# KiCad board LabSupply 2025-2026.kicad_pcb (continued)
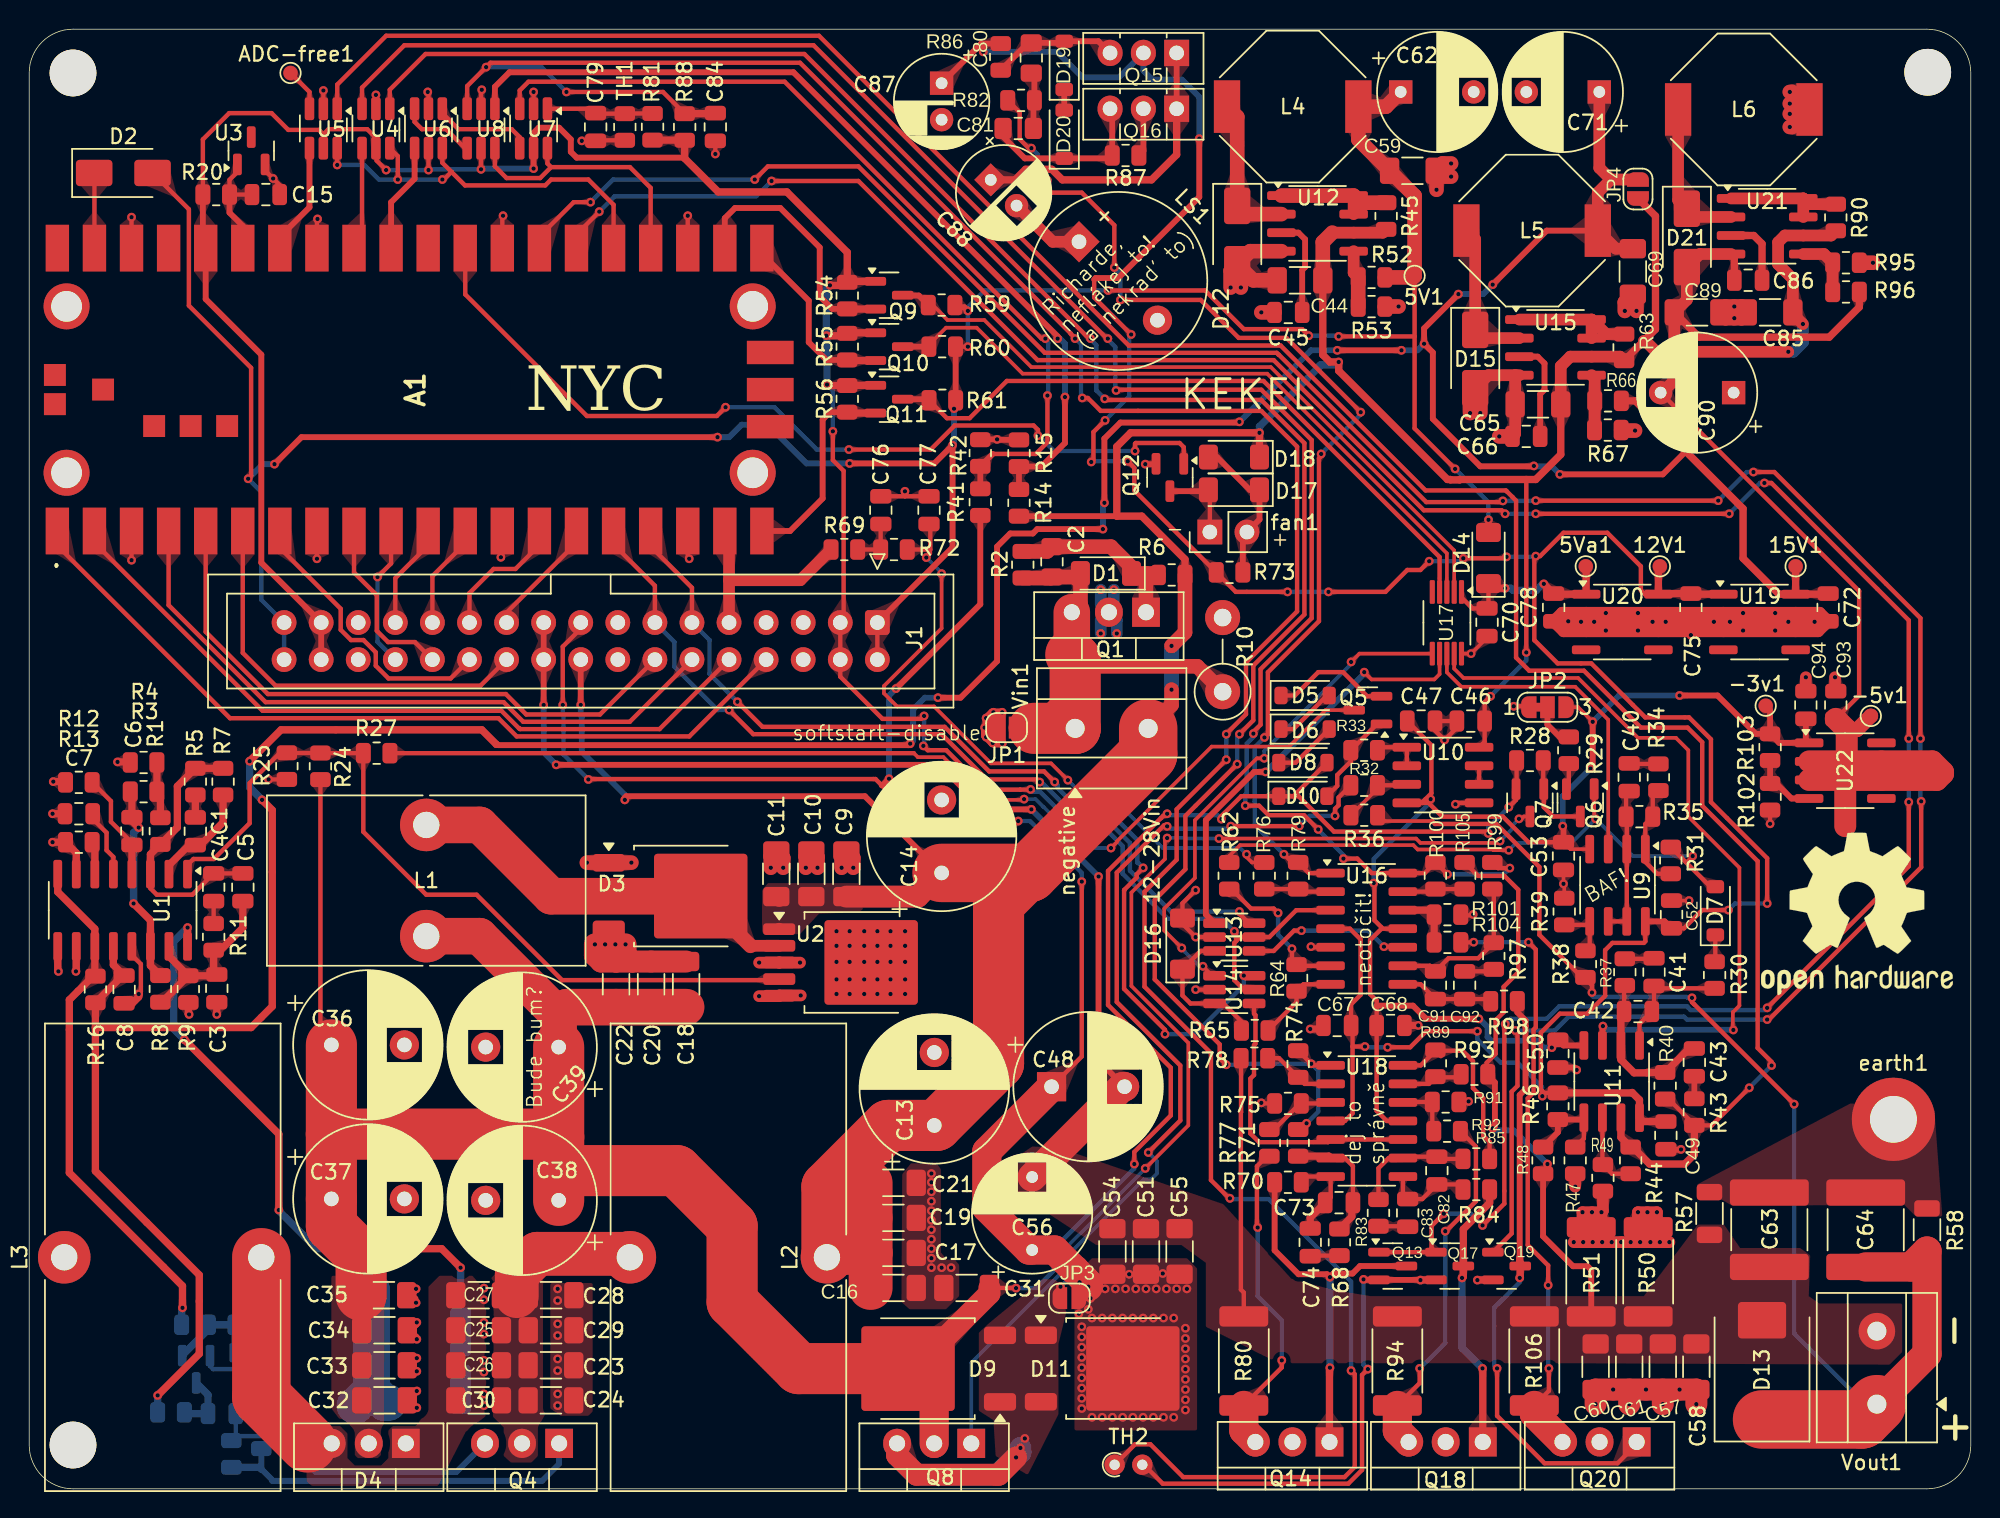
[diagram p0: board, top side]
## Library data of the parts
5V1 5Va1 12V1 15V1 -3v1 -5v1 ADC-free1 = -: Description: test point (alternative probe-style design); ki_fp_filters: Pin* Test*
A1 = -: Datasheet: https://datasheets.raspberrypi.com/pico/pico-datasheet.pdf; Description: Versatile and inexpensive microcontroller module powered by RP2040 dual-core Arm Cortex-M0+ processor up to 133 MHz, 264kB SRAM, 2MB QSPI flash; also supports Raspberry Pi Pico 2; ki_fp_filters: RaspberryPi?Pico?Common* RaspberryPi?Pico?SMD*
C1-C12 C15-C35 C40-C47 C49-C55 C57-C61 C63-C70 C72-C86 C89 C91-C94 = -: Description: Unpolarized capacitor; ki_fp_filters: C_*
C13 C14 C36-C39 C48 C56 C62 C71 C87 C88 C90 = -: Description: Polarized capacitor; ki_fp_filters: CP_*
D1 D16 D18 = -: Description: Zener diode; ki_fp_filters: TO-???* *_Diode_* *SingleDiode* D_*
D2 D12 D15 D21 = -: Description: Schottky diode; ki_fp_filters: TO-???* *_Diode_* *SingleDiode* D_*
D3 D9 D11 = -: Description: Schottky diode, anode on pins 1 and 3; ki_fp_filters: TO-???* *_Diode_* *SingleDiode* D_*
D4 = -: Description: Dual Schottky diode, common cathode on pin 2
D5-D8 D10 D14 D17 D19 D20 = -: Datasheet: http://www.vishay.com/docs/85557/ll4148.pdf; Description: 100V 0.15A standard switching diode, MiniMELF; Sim.Device: D; Sim.Pins: 1=K 2=A; ki_fp_filters: D*MiniMELF*
D13 = -: Datasheet: https://www.vishay.com/docs/88301/15ke.pdf; Description: 1500W unidirectional TRANSZORB® Transient Voltage Suppressor, DO-201AE; ki_fp_filters: D?DO?201AE*
earth1 = -: Description: Mounting Hole with connection; ki_fp_filters: MountingHole*Pad*
fan1 = -: Description: Generic connector, single row, 01x02, script generated; ki_fp_filters: Connector*:*_1x??_*
H1-H3 = -: Description: Mounting Hole without connection; ki_fp_filters: MountingHole*
J1 = -: Description: Generic connector, double row, 02x17, odd/even pin numbering scheme (row 1 odd numbers, row 2 even numbers), script generated (kicad-library-utils/schlib/autogen/connector/); ki_fp_filters: Connector*:*_2x??_*
JP1 JP3 JP4 = -: Description: Solder Jumper, 2-pole, open; ki_fp_filters: SolderJumper*Open*
JP2 = -: Description: 3-pole Solder Jumper, pins 1+2 closed/bridged; ki_fp_filters: SolderJumper*Bridged12*
L1-L6 = -: Description: Inductor; ki_fp_filters: Choke_* *Coil* Inductor_* L_*
Q1 Q4 Q14 Q18 Q20 = -: Datasheet: https://media.digikey.com/pdf/Data%20Sheets/Fairchild%20PDFs/BUZ11.pdf; Description: 30A Id, 50V Vds, N-Channel Power MOSFET, TO-220; ki_fp_filters: TO?220*
Q2 Q6 = -: Datasheet: https://www.onsemi.com/pub/Collateral/BC818-D.pdf; Description: 0.8A Ic, 45V Vce, NPN Transistor, SOT-23; ki_fp_filters: SOT?23*
Q3 = -: Datasheet: https://www.onsemi.com/pub/Collateral/BC808-D.pdf; Description: 0.8A Ic, 25V Vce, PNP Transistor, SOT-23; ki_fp_filters: SOT?23*
Q5 Q7 = -: Datasheet: https://www.onsemi.com/pub/Collateral/BC808-D.pdf; Description: 0.8A Ic, 45V Vce, PNP Transistor, SOT-23; ki_fp_filters: SOT?23*
Q8 = -: Datasheet: https://www.centralsemi.com/get_document.php?cmp=1&mergetype=pd&mergepath=pd&pdf_id=tip41.PDF; Description: 6A Ic, 80V Vce, Power NPN Transistor, TO-220; ki_fp_filters: TO?220*
Q9-Q13 Q17 Q19 = -: Datasheet: https://www.diodes.com/assets/Datasheets/ds30896.pdf; Description: 0.38A Id, 60V Vds, N-Channel MOSFET, SOT-23; ki_fp_filters: SOT?23*
Q15 = -: Datasheet: http://www.st.com/internet/com/TECHNICAL_RESOURCES/TECHNICAL_LITERATURE/DATASHEET/CD00001225.pdf; Description: 1.5A Ic, 80V Vce, Low Voltage Transistor, TO-126; ki_fp_filters: TO?126*
Q16 = -: Datasheet: http://www.st.com/internet/com/TECHNICAL_RESOURCES/TECHNICAL_LITERATURE/DATASHEET/CD00001225.pdf; Description: 1.5A Ic, 45V Vce, Low Voltage Transistor, TO-126; ki_fp_filters: TO?126*
R1-R106 = -: Description: Resistor; ki_fp_filters: R_*
TH1 TH2 = -: Description: Temperature dependent resistor, negative temperature coefficient; ki_fp_filters: *NTC* *Thermistor* PIN?ARRAY* bornier* *Terminal?Block* R_*
U1 = -: Datasheet: http://www.ti.com/lit/ds/symlink/tl494.pdf; Description: Pulse-Width-Modulation Control Circuits, PDIP-16/SOIC-16/TSSOP-16; ki_fp_filters: TSSOP*4.4x5mm*P0.65mm* SOIC*3.9x9.9mm*P1.27mm* SOIC*5.3x10.2mm*P1.27mm* DIP*W7.62mm*
U2 = -: Datasheet: http://pdf.datasheet.live/datasheets-1/advanced_power_electronics/APE1707H-12-HF.pdf; Description: 2A, 150KHz PWM Buck DC/DC Converter, adjustable output voltage, TO-252-5 (D-PAK); ki_fp_filters: TO?252*TabPin3*
U3 = -: Datasheet: http://www.ti.com/lit/ds/symlink/lm4040-n.pdf; Description: 3.000V Precision Micropower Shunt Voltage Reference, SOT-23; ki_fp_filters: SOT?23*
U4-U8 U13 U14 = -: Datasheet: http://www.ti.com/lit/sg/scyt129e/scyt129e.pdf; Description: SPDT Analog Switch, Low-Voltage CMOS; ki_fp_filters: SOT* SC*
U9-U11 = -: Datasheet: http://www.ti.com/lit/ds/symlink/rc4580.pdf; Description: Dual Audio Operational Amplifier, SOIC-8/SSOP-8; ki_fp_filters: SOIC*3.9x4.9mm*P1.27mm* DIP*W7.62mm* TO*99* OnSemi*Micro8* TSSOP*3x3mm*P0.65mm* TSSOP*4.4x3mm*P0.65mm* MSOP*3x3mm*P0.65mm* SSOP*3.9x4.9mm*P0.635mm* LFCSP*2x2mm*P0.5mm* *SIP* SOIC*5.3x6.2mm*P1.27mm*
U12 U15 U21 = -: Datasheet: http://www.onsemi.com/pub_link/Collateral/MC34063A-D.PDF; Description: 1.5A, step-up/down/inverting switching regulator, 3-40V Vin, 100kHz, SO-8; ki_fp_filters: SOIC*3.9x4.9mm*P1.27mm*
U16 U18 = -: Datasheet: http://www.ti.com/lit/ds/symlink/lm2902-n.pdf; Description: Low-Power, Quad-Operational Amplifiers, DIP-14/SOIC-14/SSOP-14; ki_fp_filters: SOIC*3.9x8.7mm*P1.27mm* DIP*W7.62mm* TSSOP*4.4x5mm*P0.65mm* SSOP*5.3x6.2mm*P0.65mm* MSOP*3x3mm*P0.5mm*
U17 = -: Datasheet: http://ww1.microchip.com/downloads/en/DeviceDoc/22187E.pdf; Description: 12-bit digital to analog converter, quad output, 2.048V internal reference, integrated EEPROM, I2C interface; ki_fp_filters: *SOP*3x3mm*P0.5mm*
U19 = -: Datasheet: http://www.st.com/content/ccc/resource/technical/document/datasheet/15/55/e5/aa/23/5b/43/fd/CD00000446.pdf/files/CD00000446.pdf/jcr:content/translations/en.CD00000446.pdf; Description: Positive 100mA 30V Linear Regulator, Fixed Output 12V, SO-8; ki_fp_filters: SOIC*3.9x4.9mm*P1.27mm*
U20 = -: Datasheet: http://www.st.com/content/ccc/resource/technical/document/datasheet/15/55/e5/aa/23/5b/43/fd/CD00000446.pdf/files/CD00000446.pdf/jcr:content/translations/en.CD00000446.pdf; Description: Positive 100mA 30V Linear Regulator, Fixed Output 5V, SO-8; ki_fp_filters: SOIC*3.9x4.9mm*P1.27mm*
U22 = -: Datasheet: http://www.ti.com/lit/ds/symlink/lm337l.pdf; Description: 100mA 35V Adjustable Negative Linear Regulator, SO-8; ki_fp_filters: SOIC*3.9x4.9mm*P1.27mm*
Vin1 Vout1 = -: Description: Generic screw terminal, single row, 01x02, script generated (kicad-library-utils/schlib/autogen/connector/); ki_fp_filters: TerminalBlock*:*

## Footprints (pads in the part's own frame, mm; a bottom-side part is the same pattern mirrored in y, then rotated)
Buzzer_12x9.5RM7.6
  rect 2x2 hole 1: 1(0,0)
  round 2 hole 1: 2(7.6,0)
C_0805_2012Metric
  rrect 1x1.45 smd: 1(-0.95,0) 2(0.95,0)
C_0805_2012Metric_Pad1.18x1.45mm_HandSolder
  rrect 1.175x1.45 smd: 1(-1.038,0) 2(1.038,0)
C_1206_3216Metric_Pad1.33x1.80mm_HandSolder
  rrect 1.325x1.8 smd: 1(-1.562,0) 2(1.562,0)
C_2220_5750Metric
  rrect 1.8x5.4 smd: 1(-2.55,0) 2(2.55,0)
CP_Radial_D6.3mm_P2.50mm
  rect 1.6x1.6 hole 0.8: 1(0,0)
  round 1.6 hole 0.8: 2(2.5,0)
CP_Radial_D8.0mm_P5.00mm
  rect 1.6x1.6 hole 0.8: 1(0,0)
  round 1.6 hole 0.8: 2(5,0)
CP_Radial_D10.0mm_P5.00mm
  rect 2x2 hole 1: 1(0,0)
  round 2 hole 1: 2(5,0)
D_MiniMELF
  rrect 1.3x1.7 smd: 1(-1.75,0) 2(1.75,0)
D_SMA
  rrect 2.5x1.8 smd: 1(-2,0) 2(2,0)
D_SMC
  rrect 2.5x3.3 smd: 1(-3.4,0) 2(3.4,0)
D_SOD-123
  rrect 0.9x1.2 smd: 1(-1.65,0) 2(1.65,0)
IDC-Header_2x17_P2.54mm_Vertical
  rrect 1.7x1.7 hole 1: 1(0,0)
  round 1.7 hole 1: 2(2.54,0) 3(0,-2.54) 4(2.54,-2.54) 5(0,-5.08) 6(2.54,-5.08) 7(0,-7.62) 8(2.54,-7.62) 9(0,-10.16) 10(2.54,-10.16) 11(0,-12.7) 12(2.54,-12.7) 13(0,-15.24) 14(2.54,-15.24) 15(0,-17.78) 16(2.54,-17.78) 17(0,-20.32) 18(2.54,-20.32) 19(0,-22.86) 20(2.54,-22.86) 21(0,-25.4) 22(2.54,-25.4) 23(0,-27.94) 24(2.54,-27.94) 25(0,-30.48) 26(2.54,-30.48) 27(0,-33.02) 28(2.54,-33.02) 29(0,-35.56) 30(2.54,-35.56) 31(0,-38.1) 32(2.54,-38.1) 33(0,-40.64) 34(2.54,-40.64)
L_Bourns-SRU1028_10.0x10.0mm
  rect 1.8x3.6 smd: 1(-4.5,0) 2(4.5,0)
L_Toroid_Vertical_L21.6mm_W11.4mm_P7.62mm_Pulse_KM-3
  round 3.6 hole 1.8: 1(0,0) 2(0,-7.62)
L_Toroid_Vertical_L31.8mm_W15.9mm_P13.50mm_Bourns_5700
  round 3.6 hole 1.8: 1(0,0) 2(0,-13.5)
MountingHole_3.2mm_M3_DIN965
  round 3.2 hole 3.2 unplated: (0,0)
MountingHole_3.2mm_M3_DIN965#2
  round 3.2 hole 3.2 unplated: (0.05,0.05)
MountingHole_3.2mm_M3_ISO7380_Pad
  round 5.7 hole 3.2: 1(0,0)
MSOP-10_3x3mm_P0.5mm
  rrect 1.625x0.35 smd: 1(-2.112,1) 2(-2.112,0.5) 3(-2.112,0) 4(-2.112,-0.5) 5(-2.112,-1) 6(2.112,-1) 7(2.112,-0.5) 8(2.112,0) 9(2.112,0.5) 10(2.112,1)
PICO
  rect 3.2x1.6 smd: 1(-9.69,24.13) 2(-9.69,21.59) 3(-9.69,19.05) 4(-9.69,16.51) 5(-9.69,13.97) 6(-9.69,11.43) 7(-9.69,8.89) 8(-9.69,6.35) 9(-9.69,3.81) 10(-9.69,1.27) 11(-9.69,-1.27) 12(-9.69,-3.81) 13(-9.69,-6.35) 14(-9.69,-8.89) 15(-9.69,-11.43) 16(-9.69,-13.97) 17(-9.69,-16.51) 18(-9.69,-19.05) 19(-9.69,-21.59) 20(-9.69,-24.13) 21(9.69,-24.13) 22(9.69,-21.59) 23(9.69,-19.05) 24(9.69,-16.51) 25(9.69,-13.97) 26(9.69,-11.43) 27(9.69,-8.89) 28(9.69,-6.35) 29(9.69,-3.81) 30(9.69,-1.27) 31(9.69,1.27) 32(9.69,3.81) 33(9.69,6.35) 34(9.69,8.89) 35(9.69,11.43) 36(9.69,13.97) 37(9.69,16.51) 38(9.69,19.05) 39(9.69,21.59) 40(9.69,24.13)
  rect 1.6x3.2 smd: D1(-2.54,-24.7) D2(0,-24.7) D3(2.54,-24.7)
  round 3.15 hole 2.1: MH1(-5.7,23.5) MH2(5.7,23.5) MH3(-5.7,-23.5) MH4(5.7,-23.5)
  rect 1.5x1.5 smd: TP1(0,21) TP2(1,24.3) TP3(-1,24.3) TP4(-2.5,17.5) TP5(-2.5,15) TP6(-2.5,12.5)
PinHeader_1x02_P2.54mm_Vertical
  rect 1.7x1.7 hole 1: 1(0,0)
  round 1.7 hole 1: 2(0,-2.54)
R_0805_2012Metric
  rrect 1.025x1.4 smd: 1(-0.912,0) 2(0.912,0)
R_1206_3216Metric
  rrect 1.125x1.75 smd: 1(-1.462,0) 2(1.462,0)
R_2512_6332Metric_Pad1.40x3.35mm_HandSolder
  rrect 1.4x3.35 smd: 1(-3.05,0) 2(3.05,0)
R_Axial_DIN0204_L3.6mm_D1.6mm_P1.90mm_Vertical
  round 1.4 hole 0.7: 1(0,0)
  oval 1.4x1.4 hole 0.7: 2(1.9,0)
R_Axial_DIN0411_L9.9mm_D3.6mm_P5.08mm_Vertical
  round 2.4 hole 1.2: 1(0,0)
  oval 2.4x2.4 hole 1.2: 2(5.08,0)
SOIC-8_3.9x4.9mm_P1.27mm
  rrect 1.95x0.6 smd: 1(-2.475,1.905) 2(-2.475,0.635) 3(-2.475,-0.635) 4(-2.475,-1.905) 5(2.475,-1.905) 6(2.475,-0.635) 7(2.475,0.635) 8(2.475,1.905)
SOIC-14_3.9x8.7mm_P1.27mm
  rrect 1.95x0.6 smd: 1(-2.475,3.81) 2(-2.475,2.54) 3(-2.475,1.27) 4(-2.475,0) 5(-2.475,-1.27) 6(-2.475,-2.54) 7(-2.475,-3.81) 8(2.475,-3.81) 9(2.475,-2.54) 10(2.475,-1.27) 11(2.475,0) 12(2.475,1.27) 13(2.475,2.54) 14(2.475,3.81)
SOIC-16_3.9x9.9mm_P1.27mm
  rrect 1.95x0.6 smd: 1(-2.475,4.445) 2(-2.475,3.175) 3(-2.475,1.905) 4(-2.475,0.635) 5(-2.475,-0.635) 6(-2.475,-1.905) 7(-2.475,-3.175) 8(-2.475,-4.445) 9(2.475,-4.445) 10(2.475,-3.175) 11(2.475,-1.905) 12(2.475,-0.635) 13(2.475,0.635) 14(2.475,1.905) 15(2.475,3.175) 16(2.475,4.445)
SolderJumper-2_P1.3mm_Open_RoundedPad1.0x1.5mm
  custom 1x1.5 smd: 1(-0.65,0) 2(0.65,0)
SolderJumper-3_P1.3mm_Bridged12_RoundedPad1.0x1.5mm_NumberLabels
  custom 1.05x1.5 smd: 1(-1.3,0) 3(1.3,0)
  rect 1x1.5 smd: 2(0,0)
SOT-23
  rrect 1.475x0.6 smd: 1(-0.938,0.95) 2(-0.938,-0.95) 3(0.938,0)
SOT-23-3
  rrect 1.325x0.6 smd: 1(-1.137,0.95) 2(-1.137,-0.95) 3(1.137,0)
SOT-23-6_Handsoldering
  rrect 1.56x0.65 smd: 1(-1.35,0.95) 2(-1.35,0) 3(-1.35,-0.95) 4(1.35,-0.95) 5(1.35,0) 6(1.35,0.95)
TerminalBlock_MetzConnect_Type055_RT01502HDWU_1x02_P5.00mm_Horizontal
  rrect 2.5x2.5 hole 1.3: 1(0,0)
  round 2.5 hole 1.3: 2(5,0)
TestPoint_Pad_D1.0mm
  round 1 smd: 1(0,0)
TO-126-3_Vertical
  rect 1.71x1.8 hole 1: 1(0,0)
  oval 1.71x1.8 hole 1: 2(2.28,0) 3(4.56,0)
TO-220-3_Vertical
  rect 1.905x2 hole 1.1: 1(0,0)
  oval 1.905x2 hole 1.1: 2(2.54,0) 3(5.08,0)
TO-252-2
  rrect 3.05x2.75 smd: (-0.415,1.525) (-0.415,-1.525) (2.935,1.525) (2.935,-1.525)
  rrect 2.2x1.2 smd: 1(-5.04,2.28) 3(-5.04,-2.28)
  rrect 6.4x5.8 smd: 2(1.26,0)
TO-252-5_TabPin3
  rrect 3.05x2.75 smd: (-0.415,1.525) (-0.415,-1.525) (2.935,1.525) (2.935,-1.525)
  rrect 2.2x0.8 smd: 1(-5.04,2.28) 2(-5.04,1.14) 3(-5.04,0) 4(-5.04,-1.14) 5(-5.04,-2.28)
  rrect 6.4x5.8 smd: 3(1.26,0)

## Nets
+3V3: A1.36 J1.3 J1.4 J1.31 J1.32 Q9.1 Q10.1 Q11.1 R20.2 R54.1 R55.1 R56.1 R81.1 R88.1 U4.5 U5.5 U6.5 U7.5 U8.5 U13.5 U14.5 U16.3
+5V: 5V1.1 C59.1 C62.1 D2.2 D14.2 J1.1 J1.2 J1.33 J1.34 L4.2 R52.2 R59.1 R60.1 R61.1
+5VA: 5Va1.1 C70.2 C78.2 D14.1 U17.1 U20.1
+12V: 12V1.1 C49.2 C52.2 C67.2 C75.2 C87.1 Q15.2 R46.1 R73.1 R86.1 U9.8 U11.8 U16.4 U18.4 U19.1 U20.8
+15V: 15V1.1 C8.2 C69.1 C71.1 C72.2 JP4.2 L5.2 R16.1 R19.2 R66.2 U1.12 U19.8
+28V: C9.2 C10.2 C11.2 C13.1 C14.1 C16.2 C17.2 C19.2 C21.2 C44.1 C46.2 C65.1 C85.1 D18.1 J1.18 JP4.1 L2.1 R6.1 R14.1 R45.2 R63.2 R90.2 U2.1 U10.8 U12.6 U15.6 U21.6 Vin1.2
-3V3: -3v1.1 C47.1 C50.1 C53.1 C68.1 C94.1 JP2.3 R103.2 U9.4 U10.4 U11.4 U16.11 U18.11 U22.1
GND: A1.3 A1.8 A1.13 A1.18 A1.23 A1.28 A1.33 A1.38 C3.2 C7.2 C8.1 C9.1 C10.1 C11.1 C13.2 C14.2 C15.2 C16.1 C17.1 C18.1 C19.1 C20.1 C21.1 C22.1 C31.1 C32.1 C33.1 C34.1 C35.1 C36.2 C37.2 C38.2 C39.2 C44.2 C45.1 C46.1 C47.2 C49.1 C50.2 C52.1 C53.2 C59.2 C62.2 C65.2 C66.1 C67.1 C68.2 C69.2 C70.1 C71.2 C72.1 C75.1 C76.2 C77.2 C78.1 C79.1 C84.1 C85.2 C87.2 C89.1 C90.1 C93.2 C94.2 D3.1 D3.3 D12.2 D15.2 D16.2 J1.5 J1.6 J1.15 J1.16 J1.29 J1.30 JP1.2 JP2.1 L3.1 L6.2 LS1.2 Q1.2 Q12.2 Q13.2 Q16.2 Q17.2 Q19.2 R4.1 R9.1 R10.2 R12.1 R13.1 R15.2 R23.2 R25.2 R26.2 R39.2 R42.2 R47.1 R49.2 R50.2 R51.2 R53.1 R67.1 R75.1 R87.2 R91.1 R95.1 R101.1 R102.1 TH1.2 TH2.2 U1.7 U1.9 U1.10 U1.13 U2.3 U2.5 U3.2 U4.2 U5.2 U6.2 U7.2 U8.2 U10.5 U12.4 U13.2 U14.2 U15.4 U16.5 U17.10 U19.2 U19.3 U19.6 U19.7 U20.2 U20.3 U20.6 U20.7
Vin-measured: R14.2 R15.1 U8.1
adc-mux1: A1.25 U4.6 U5.6 U6.6
adc-mux2: A1.24 U7.6 U8.6
audio-PWM: A1.19 J1.9 R69.1
Earth: C63.2 C64.2 earth1.1 R57.2 R58.2
fan: A1.29 Q12.1
H-Iref: U14.1 U17.6
HighCurrent-enable: A1.26 Q13.1 Q17.1
HighCurrent-In-measured: R71.2 R74.1 U4.1 U18.1
HighCurrentSwitch: A1.17 J1.11 U14.6
Iout-measured: R40.2 R43.2 R44.1 U5.1 U11.7
Iref: U11.3 U17.9
L-Iref: U13.1 U17.7
LDAC: A1.20 Q11.2 R56.2
LowCurrent-enable: A1.27 Q19.1
LowCurrent-In-measured: R99.2 R100.1 U4.3 U16.14
LowCurrentSwitch: A1.16 J1.13 U13.6
SCL: A1.22 Q9.2 R54.2
SDA: A1.21 Q10.2 R55.2
temp1: C79.2 R81.2 TH1.1 U7.1
temp2: C84.2 R88.2 TH2.1 U8.3
Vout+: C48.1 C51.1 C54.1 C55.1 C56.1 C57.2 C58.2 C60.2 C61.2 C64.1 D11.2 D13.1 J1.17 JP3.2 Q14.2 Q18.2 Q20.2 R36.1 R38.1 R41.1 R58.1 Vout1.1
Vout-: C48.2 C51.2 C54.2 C55.2 C56.2 C57.1 C58.1 C60.1 C61.1 C63.1 D13.2 J1.19 J1.20 R48.2 R50.1 R51.1 R57.1 R78.2 R80.2 R93.2 R94.2 R105.2 R106.2 Vout1.2
Vout-measured: R41.2 R42.1 U7.3
Vref: U9.3 U17.8
Net-(A1-ADC_VREF): A1.35 C15.1 R20.1 U3.1
Net-(A1-GPIO0): A1.1 J1.8
Net-(A1-GPIO1): A1.2 J1.10
Net-(A1-GPIO2): A1.4 J1.12
Net-(A1-GPIO3): A1.5 J1.14
Net-(A1-GPIO4): A1.6 J1.22
Net-(A1-GPIO5): A1.7 J1.24
Net-(A1-GPIO6): A1.9 J1.26
Net-(A1-GPIO7): A1.10 J1.28
Net-(A1-GPIO8): A1.11 J1.27
Net-(A1-GPIO9): A1.12 J1.25
Net-(A1-GPIO10): A1.14 J1.23
Net-(A1-GPIO11): A1.15 J1.21
Net-(A1-GPIO26_ADC0): A1.31 U6.4
Net-(A1-GPIO27_ADC1): A1.32 U4.4
Net-(A1-GPIO28_ADC2): A1.34 U5.4
Net-(A1-VSYS): A1.39 D2.1
Net-(ADC-free1-Pad1): ADC-free1.1 U5.3
Net-(C1-Pad2): C1.2 R5.2
Net-(C4-Pad2): C4.2 R11.2
Net-(C23-Pad2): C23.2 C24.2 C25.2 C26.2 C27.2 C28.2 C29.2 C30.2 D4.1 D4.3 L3.2
Net-(C40-Pad1): C40.1 R34.2
Net-(C41-Pad1): C41.1 C42.1 R30.2 U11.1
Net-(C41-Pad2): C41.2 R37.1
Net-(C43-Pad2): C43.2 R43.1
Net-(C73-Pad1): C73.1 C74.1 R70.1 U18.7
Net-(C74-Pad2): C74.2 R68.1
Net-(C76-Pad1): C76.1 R69.2 R72.1
Net-(C77-Pad1): C77.1 R72.2 R76.1
Net-(C80-Pad2): C80.2 C81.2 R82.2
Net-(C82-Pad1): C82.1 C83.1 R84.1 U18.8
Net-(C83-Pad2): C83.2 R83.1
Net-(C88-Pad2): C88.2 LS1.1
Net-(C91-Pad1): C91.1 C92.1 R98.1 U16.8
Net-(C92-Pad2): C92.2 R97.1
Net-(D1-A): C2.2 D1.2 JP1.1 Q1.3 R2.2 R10.1 Vin1.1
Net-(D1-K): C2.1 D1.1 Q1.1 R2.1 R6.2
Net-(D3-K): D3.2 L1.1 U2.2
Net-(D5-A): D5.2 D6.1
Net-(D5-K): D5.1 Q5.2
Net-(D6-A): D6.2 D8.1
Net-(D7-A): D7.2 Q6.1 R31.1 R62.1
Net-(D7-K): D7.1 R30.1
Net-(D10-A): D10.2 Q5.1 R33.1
Net-(D10-K): C18.2 C20.2 C22.2 C31.2 C32.2 C33.2 C34.2 C35.2 C36.1 C37.1 C38.1 C39.1 D4.2 D8.2 D9.2 D10.1 L1.2 Q7.2 Q8.2 R24.1 R28.1
Net-(D12-K): D12.1 L4.1 U12.2
Net-(D15-K): D15.1 L5.1 U15.2
Net-(D16-K): D16.1 R65.2 U13.3 U14.3
Net-(D17-A): D17.2 fan1.1 Q12.3
Net-(D17-K): D17.1 D18.2 fan1.2 R73.2
Net-(D19-A): C80.1 D19.2 Q15.3 R86.2
Net-(D19-K): D19.1 D20.2
Net-(D20-K): C81.1 D20.1 Q16.3 R87.1
Net-(D21-A): -5v1.1 C86.1 C89.2 C90.2 C93.1 D21.2 R96.2 U21.4 U22.2 U22.3 U22.6 U22.7
Net-(D21-K): D21.1 L6.1 U21.2
Net-(JP2-C): JP2.2 R29.2
Net-(JP3-A): D9.1 D9.3 D11.1 D11.3 JP3.1 Q8.3 R32.1
Net-(Q2-B): Q2.1 Q3.1 R17.2 R18.1
Net-(Q2-C): C12.2 Q2.3 R19.1
Net-(Q2-E): Q2.2 Q3.2 R18.2 R21.1
Net-(Q3-C): C12.1 Q3.3 Q4.3 R22.2 R23.1 R26.1 U1.16
Net-(Q4-D): C23.1 C24.1 C25.1 C26.1 C27.1 C28.1 C29.1 C30.1 L2.2 Q4.2
Net-(Q4-G): Q4.1 R21.2 R22.1
Net-(Q5-C): Q5.3 R27.2
Net-(Q6-C): Q6.3 Q7.1 R28.2
Net-(Q6-E): Q6.2 R29.1
Net-(Q7-C): Q7.3 Q8.1
Net-(Q9-D): Q9.3 R59.2 U17.2
Net-(Q10-D): Q10.3 R60.2 U17.3
Net-(Q11-D): Q11.3 R61.2 U17.4
Net-(Q13-D): Q13.3 Q14.1 R70.2
Net-(Q14-S): Q14.3 R77.2 R80.1
Net-(Q15-E): C88.1 Q15.1 Q16.1
Net-(Q17-D): Q17.3 Q18.1 R84.2
Net-(Q18-S): Q18.3 R92.2 R94.1
Net-(Q19-D): Q19.3 Q20.1 R98.2
Net-(Q20-S): Q20.3 R104.2 R106.1
Net-(R1-Pad2): R1.2 R3.1 R4.2
Net-(R31-Pad2): R31.2 R34.1 R35.1 U9.1
Net-(R64-Pad2): R64.2 R65.1 U16.7
Net-(R79-Pad2): R79.2 R82.1 U16.1
Net-(R85-Pad2): R85.2 R89.1 U18.14
Net-(U1-1IN+): R24.2 R25.1 R27.1 U1.1 U2.4
Net-(U1-1IN-): C1.1 R7.1 U1.2
Net-(U1-2IN-): C3.1 C5.2 R8.1 R9.2 R11.1 U1.15
Net-(U1-C1): R16.2 R17.1 U1.8 U1.11
Net-(U1-CT): C7.1 U1.5
Net-(U1-DTC): C6.2 R12.2 U1.4
Net-(U1-FB): C4.1 C5.1 R1.1 R5.1 R7.2 U1.3
Net-(U1-REF): C6.1 R3.2 R8.2 U1.14
Net-(U1-RT): R13.2 U1.6
Net-(U6-Pad1): U6.1 U7.4
Net-(U6-Pad3): U6.3 U8.4
Net-(U9A--): C40.2 R35.2 U9.2 U9.6 U9.7
Net-(U9B-+): R38.2 R39.1 U9.5
Net-(U10A-+): R32.2 R36.2 U10.3
Net-(U10A--): R33.2 U10.1 U10.2
Net-(U10B--): U10.6 U10.7
Net-(U11A--): C42.2 C43.1 R37.2 R40.1 U11.2
Net-(U11B-+): R46.2 R47.2 R48.1 U11.5
Net-(U11B--): R44.2 R49.1 U11.6
Net-(U12-DC): R45.1 U12.1 U12.7 U12.8
Net-(U12-TC): C45.2 U12.3
Net-(U12-Vfb): R52.1 R53.2 U12.5
Net-(U15-DC): R63.1 U15.1 U15.7 U15.8
Net-(U15-TC): C66.2 U15.3
Net-(U15-Vfb): R66.1 R67.2 U15.5
Net-(U16A--): R76.2 R79.1 U16.2
Net-(U16B--): R62.2 R64.1 U16.6
Net-(U16C-+): U13.4 U16.10
Net-(U16C--): C91.2 R97.2 R99.1 U16.9
Net-(U16D-+): R101.2 R104.1 U16.12
Net-(U16D--): R100.2 R105.1 U16.13
Net-(U18A-+): R75.2 R77.1 U18.3
Net-(U18A--): R74.2 R78.1 U18.2
Net-(U18B-+): U14.4 U18.5 U18.10
Net-(U18B--): C73.2 R68.2 R71.1 U18.6
Net-(U18C--): C82.2 R83.2 R85.1 U18.9
Net-(U18D-+): R91.2 R92.1 U18.12
Net-(U18D--): R89.2 R93.1 U18.13
Net-(U21-DC): R90.1 U21.1 U21.7 U21.8
Net-(U21-TC): C86.2 U21.3
Net-(U21-Vfb): R95.2 R96.1 U21.5
Net-(U22-ADJ): R102.2 R103.1 U22.4

Pads without a net: A1 30 37 40 D1 D2 D3 MH1 MH2 MH3 MH4 TP1 TP2 TP3 TP4 TP5 TP6; J1 7; U3 3; U17 5; U19 4 5; U20 4 5; U22 5 8

## Via types
v1: diameter 0.6, hole 0.3, Top to Bottom, 495 vias

## Routing (per net, layer and track width the routed paths; a pad name or vN(x,y) marks a point on that pad's centre or on a via; arc(x,y) is an arc through that point)
+3V3: length 189.4
  Top w0.3: v1(61.3,52.95) 61.1,52.75 58.45,52.75 55.56,55.64 J1.4 J1.3 55.79,59.58 55.79,69.74 55.05,70.48 v1(55.05,72.45) ; U5.5 20.15,92.8 ; 20.15,92.8 20.5,93.15 23.15,93.15 23.75,92.55 U4.5 23.8,91.8 23.8,91 v1(24.45,90.35) ; 20.15,92.8 19.85,93.1 17.75,93.1 16.6,94.25 13.7,94.25 11.9,92.45 R20.2 ; 82.68,37.53 82.55,37.4 82.55,34.85 83.2,34.2 U14.5 ; 82.68,37.53 82.95,37.8 U13.5 84.95,37.8 86.79,39.64 U16.3 ; 82.68,37.53 82.68,38.07 v1(82.55,38.2) ; v1(61.25,50.9) 61.55,50.6 62.82,50.6 65.52,47.9 67.88,47.9 68.58,47.9 v1(68.6,47.91) ; U8.5 v1(30.95,90.4) ; v1(27.35,90.35) U6.5
  Top w0.4: J1.32 J1.31 15.9,63.45 15.9,77.7 12.09,81.51 A1.36 11.9,85.19 R20.2 ; 44.9,91.15 44.85,91.2 37.5,91.2 37.1,91.6 37.1,92.45 36.3,93.25 34.9,93.25 34.55,92.9 U7.5 v1(34.55,90.45)
  Top w0.5: v1(54.65,75.65) 54.71,75.59 R56.1 56.05,75.6 Q11.1 ; R81.1 44.89,92.4 R88.1 44.9,91.15 47.2,88.85 51.9,88.85 56.04,84.71 R54.1 ; R54.1 55.83,82.45 v1(54.85,82.45) ; R54.1 56.1,82.72 Q9.1 ; v1(54.6,79) 55.88,79 R55.1 56.08,79.2 Q10.1
  Bottom w0.3: v1(82.55,38.2) 81.7,39.05 77.99,39.05 74.9,42.14 74.9,44.04 74.02,44.92 72.08,44.92 69.25,47.75 68.76,47.75 v1(68.6,47.91) ; v1(30.95,90.4) 27.4,90.4 v1(27.35,90.35) v1(24.45,90.35) ; v1(61.25,50.9) 61.3,50.95 v1(61.3,52.95) ; v1(55.05,72.45) 55.05,75.25 v1(54.65,75.65)
  Bottom w0.4: v1(30.95,90.4) 31,90.45 v1(34.55,90.45)
  Bottom w0.5: v1(54.65,75.65) 54.65,78.95 v1(54.6,79) 54.6,82.2 v1(54.85,82.45)
+5V: length 188
  Top w0.3: D2.2 10.94,87.66 10.94,81.06 15.2,76.8 15.2,69.4 v1(15,69.2) ; J1.1 J1.2 ; v1(73.9,82.1) 80.55,82.1 83.2,79.45 87.2,79.45 v1(87.65,79) ; 93.05,83.08 92.86,82.9 ; v1(64.3,78.25) R60.1 63.56,78.14 ; v1(97.68,69.88) 94.9,72.65 94.9,78.95 ; 94.9,78.95 v1(89.7,78.95) ; 94.9,78.95 5V1.1 ; v1(99.96,66.39) D14.2
  Top w0.4: v1(47.15,72.05) 18.65,72.05 v1(16.8,70.2) ; R60.1 63.46,78.24 R61.1 63.46,74.11 v1(63.35,74) ; v1(64.3,80.7) 64.05,80.95 63.75,80.95 63.6,81.1 R59.1 ; J1.1 63.25,64.5 v1(63.25,71.5) 62,70.25 v1(56.2,70.25)
  Top w1: C62.1 92.94,94.69 L4.2 91.05,92.44 C59.1 94.9,88.59 5V1.1 94.79,83 R52.2
  Bottom w0.3: J1.34 J1.33 15.9,60.91 15.9,68.3 v1(15,69.2) ; v1(89.7,78.95) 89.65,79 v1(87.65,79) ; v1(99.96,66.39) 99.95,66.4 99.95,67.6 v1(97.68,69.88) ; v1(73.9,82.1) 65.45,82.1 64.3,80.95 v1(64.3,80.7) v1(64.3,78.25)
  Bottom w0.4: v1(63.25,71.5) 63.35,71.6 v1(63.35,74) ; v1(56.2,70.25) 53.25,70.25 50.6,72.9 48.8,72.9 47.95,72.05 v1(47.15,72.05) ; v1(16.8,70.2) 16,70.2 v1(15,69.2)
+5VA: length 13.7
  Top w0.25: 99.78,60.43 99.93,60.28
  Top w0.3: D14.1 99.96,60.42 C70.2 98.86,60.32 98.14,61.04 98.14,61.44
  Top w0.5: v1(103.75,62) 104.41,61.34 104.43,61.34 104.47,61.29 U20.1 ; U20.1 106.65,63.18 5Va1.1 ; U20.1 106.62,61.31 ; v1(101.1,61.7) 100.28,61.7 D14.1
  Bottom w0.5: v1(103.75,62) 103.69,62 103.24,61.55 101.65,61.55 101.5,61.7 v1(101.1,61.7)
+12V: length 212.2
  Top w0.3: v1(101.2,63.85) 101.1,63.75 v1(98.24,63.75) ; 90.65,30.3 90.65,31.64 C67.2 90.55,33.19 91.2,33.84 91.2,37.64 90.47,38.37 U16.4 ; 90.65,30.3 90.65,25.73 90.12,25.2 U18.4 ; 90.65,30.3 v1(91.5,30.3) ; v1(75.25,70.4) 75.7,69.95 75.7,68.4 R73.1 82.65,61.45 v1(86.2,61.45) ; v1(72.75,70.35) 72.9,70.5 72.9,72.4 v1(73.7,73.2) ; 72.95,82.85 72.95,81.62 v1(75.48,79.08) ; v1(119.05,40.1) 119.05,43.2 115.2,47.05 115.2,51.35 113.7,52.85 110.7,52.85 107,56.55 104.7,56.55 103.1,58.15 103.1,63.8 v1(103.2,63.9) 103.5,63.9 105.1,65.5 108.1,65.5 110.4,63.2 110.4,61.55 110.66,61.29 U20.8 ; v1(89,61.45) 92.9,61.45 94.4,62.95 95.3,62.95 v1(95.9,63.55) ; v1(116.4,39.65) 114.6,39.65 113.35,38.4 C52.2 ; 104.6,27.01 104.81,27.01 ; v1(99.2,31.35) 95.7,31.35 94.6,30.25 v1(93.05,30.25) ; U9.8 110.71,37.5 110.6,37.4 108.45,37.4 107.95,36.9 107.95,33.78 106.72,32.55 104.85,32.55 103.55,31.25 103.55,27.35 103.65,27.25 v1(103.65,26.9) 103.65,27 103.78,27.12 R46.1
  Top w0.4: U9.8 112.03,38.88 C52.2 ; v1(65.35,98.45) 65.35,98.88 65.21,99.01 ; 65.21,99.01 C87.1 ; 65.21,99.01 R86.1 ; 72.95,82.85 73.05,82.95 74.6,82.95 80.15,88.5 v1(80.15,92.5)
  Top w0.5: C49.2 110.57,25.16 U11.8 110.31,26.65 109.8,27.15 109.78,27.12 R46.1 ; U20.8 111.65,61.34 113.82,61.34 113.87,61.29 U19.1 ; U20.8 111.6,63.1 12V1.1 ; U20.8 111.62,61.31
  Bottom w0.3: v1(86.2,61.45) v1(89,61.45) ; v1(99.2,31.35) 99.2,30.8 100.8,29.2 101.95,29.2 103.62,27.53 103.62,26.93 v1(103.65,26.9) ; v1(98.24,63.75) 98.04,63.55 v1(95.9,63.55) ; v1(93.05,30.25) 91.55,30.25 v1(91.5,30.3) ; v1(72.75,70.35) 72.8,70.4 v1(75.25,70.4) ; v1(75.48,79.08) 75.35,78.95 75.35,74.85 v1(73.7,73.2) ; v1(103.2,63.9) 103.15,63.85 v1(101.2,63.85) ; v1(119.05,40.1) 116.85,40.1 v1(116.4,39.65)
  Bottom w0.4: v1(65.35,98.45) 70.4,98.45 72.15,96.7 74.65,96.7 Q15.2 76.32,97.16 76.94,96.55 78.95,96.55 80.15,95.35 v1(80.15,92.5)
+15V: length 249.4
  Top w0.4: v1(62.25,54.2) 63.8,54.2 66.3,56.7 66.3,64.55 67.2,65.45 68.75,65.45 69.05,65.75 v1(73.55,65.75) ; 32,51 32.05,51 32.1,50.95 60.15,50.95 ; L5.2 103.95,86.2 v1(100.25,82.5) ; v1(104.85,69.5) 111.9,69.5 113.47,71.07 ; 60.15,50.95 60.35,50.95 ; 60.15,50.95 60.25,50.95 v1(60.35,51.05) ; v1(89.6,78) v1(94,78) ; v1(103.07,70.08) 103.04,70.05 99.4,70.05 96.15,73.3 96.15,77.85 v1(95.55,78.45) 95.55,79.5 v1(97.9,81.85) ; v1(73.65,67.55) 73.65,71.95 74.75,73.05 82.85,73.05 v1(82.9,73.1)
  Top w0.5: U19.8 15V1.1 ; U19.8 123.18,61.29 123.22,61.34 ; U19.8 119.86,61.29 117.4,63.75 117.4,67.15 110.01,74.54 R66.2 ; 4.53,31.6 15.2,31.6 16.65,33.05 16.65,46.5 v1(15.95,47.2) ; 4.53,31.6 4.53,21.76 11.65,14.65 11.65,9.25 v1(8.8,6.4) ; 4.53,31.6 R16.1 6.4,35.16 C8.2 5.77,35.9 5.77,37.16 ; 32,51 31,52 17.25,52 v1(15.1,49.85)
  Top w0.8: 108.35,89.7 107.55,90.5 C71.1 ; 108.35,89.7 107.45,88.8 L5.2 108.69,84.96 C69.1 ; 108.35,89.7 JP4.2
  Bottom w0.4: v1(82.9,73.1) 87.8,78 v1(89.6,78) ; v1(94,78) 95.1,78 v1(95.55,78.45) ; v1(100.25,82.5) 99.6,81.85 v1(97.9,81.85) ; v1(60.35,51.05) 60.55,51.25 60.55,53.4 61.35,54.2 v1(62.25,54.2) ; v1(73.55,65.75) 73.55,67.45 v1(73.65,67.55) ; v1(103.07,70.08) 103.1,70.05 104.3,70.05 v1(104.85,69.5)
  Bottom w0.5: R19.2 v1(8.8,6.4) ; v1(15.95,47.2) 15.1,48.05 v1(15.1,49.85)
+28V: length 256.3
  Top w0.3: 93.34,86.38 93.05,86.38 92.73,86.06 ; v1(102.55,57.3) 102.55,69.15 ; U10.8 99.7,51.18 C46.2 99.7,53.9 v1(100.1,54.3)
  Top w0.4: C14.1 57.24,47.45 40.9,47.45 40.8,47.35 v1(40.8,47.2) ; 74.5,66.64 R14.1 ; v1(37.78,53.7) J1.18
  Top w0.5: C44.1 88.61,77.69 89.1,77.2 v1(89.7,77.2) 89.7,76.6 97.15,69.15 97.34,69.15 97.36,69.12 97.99,69.12 98.01,69.15 103.2,69.15 104.91,70.86 C65.1 ; R6.1 79.17,63.68 76.21,66.64 74.5,66.64 74.5,71.4 75.45,72.35 v1(84.28,72.35) D18.1 ; R63.2 111.4,79.44 111.4,87.2 JP4.1
  Top w0.8: v1(113.95,77.75) 114.1,77.9 v1(120.5,77.9) ; 51.58,40.57 51.38,40.37 ; 110.61,78.64 110.71,78.64 v1(111.45,77.9) ; R45.2 92.72,86.06 U12.6 89.26,86.06 ; R63.2 108.97,77.56 U15.6 105.56,77.56 104.91,76.91 C65.1 ; R90.2 123.43,85.87 U21.6 120.26,85.87 119.8,85.4 119.8,83.9 120.81,82.89 C85.1 120.81,80.49 v1(121.5,79.8) ; U2.1 51.38,38.37
  Top w1: C44.1 88.61,85.41 89.26,86.06 ; Vin1.2 78.25,53.7 v1(78.25,54.75) ; 51.38,40.37 C11.2 ; R6.1 79.17,58.67 v1(78.25,57.75)
  Top w1.5: C9.2 60.88,40.57 C14.1
  Top w3: C17.2 54.94,16.16 L2.1 ; C17.2 C16.2 ; C17.2 C19.2 C21.2
  Top w3.5: L2.1 54.64,20.69 58.84,24.89 C13.1 62.14,24.89 66.4,29.15 66.4,40.08 68.51,42.19
  Top w4: C14.1 68.51,42.19 76.65,50.33 Vin1.2
  Bottom w0.3: v1(102.55,57.3) 102.55,56.75 v1(100.1,54.3)
  Bottom w0.4: v1(37.78,53.7) 37.78,53 37.85,52.93 37.85,50.5 40.8,47.55 v1(40.8,47.2)
  Bottom w0.5: v1(84.28,72.35) 84.28,72.78 88.35,76.85 88.35,76.9 88.45,77 89.5,77 v1(89.7,77.2)
  Bottom w0.8: v1(111.45,77.9) 111.6,77.75 v1(113.95,77.75) ; v1(120.5,77.9) 120.85,77.9 121.5,78.55 v1(121.5,79.8)
  Bottom w1: v1(78.25,57.75) v1(78.25,54.75)
-3V3: length 97.7
  Top w0.25: 105.1,45.35 v1(105.05,45.4) ; U9.4 105.57,43.82 C53.1 ; v1(107.1,52.55) 106.1,53.55 JP2.3 ; v1(106.95,49.35) 107.1,49.5
  Top w0.3: v1(96,47.25) 95.65,47.25 95.4,47 ; 92.63,38.37 92.63,38.47 92.15,38.95 92.15,41.45 v1(92.1,41.5) ; 92.63,38.37 91.85,37.59 91.85,33.89 92.3,33.44 C68.1 92.3,25.9 93,25.2 U18.11 ; 92.63,38.37 U16.11 ; 95.4,47 96.05,47.65 96.05,50.95 C47.1 ; 95.4,47 U10.4 95.85,47 96.8,46.05 100.95,46.05 102.7,44.3 C53.1
  Top w0.4: -3v1.1 119.25,53.35 R103.2 ; R103.2 118.28,51.72 115.65,54.35 v1(113.05,54.35) ; R103.2 119.87,51.1 U22.1 121.7,51.33 C94.1 ; 107.1,49.5 v1(107.1,52.55) ; v1(99.3,32.2) 95.69,32.2 94.79,33.1 92.3,33.1 ; U11.4 105.1,30.38 C50.1 104.3,30.35 v1(104.3,30.22) ; C53.1 105.1,45.35
  Bottom w0.3: v1(96,47.25) 96,47.05 92.1,43.15 v1(92.1,41.5)
  Bottom w0.4: v1(106.95,49.35) 105.05,47.45 v1(105.05,45.4) ; v1(107.1,52.55) 108.9,54.35 v1(113.05,54.35) ; v1(104.3,30.22) 103.72,30.22 103.25,30.7 100.15,30.7 99.9,30.95 99.9,31.64 99.34,32.2 v1(99.3,32.2)
GND: length 310.3
  Top w0.25: U17.10 v1(98.77,57.22) 99.93,58.38 ; C52.1 v1(113.7,40.3) ; R39.2 105.15,41.4 v1(105.1,41.45) C53.2
  Top w0.3: A1.33 19.71,86.96 v1(19.75,87) ; v1(26.55,5.55) 26.45,5.65 26.45,5.7 26.09,6.06 C32.1 26.01,6.06 26.4,6.45 26.4,6.55 v1(26.55,6.7) ; v1(26.5,13.7) 26.5,13.55 26.21,13.26 C35.1 26.29,13.26 26.5,13.05 v1(26.5,12.75) ; v1(26.55,11.4) 26.55,11.2 26.21,10.86 C34.1 26.14,10.86 26.55,10.45 v1(26.55,10.25) ; TH2.2 76.35,1.65 77.65,0.35 90.36,0.35 91.3,1.29 91.3,7.8 v1(91.7,8.2) ; v1(98.6,26.54) 98.56,26.5 R91.1 ; A1.23 v1(45.11,87.22) ; A1.38 v1(7.01,87.12) ; U13.2 v1(79.9,37.8) 79,38.7 D16.2 79,40.12 v1(79.9,41.02) ; JP2.1 102.64,53.61 v1(101.69,53.61) ; U1.13 7.03,36.56 7.65,35.95 7.65,34.05 v1(7.5,33.9) ; C15.2 17.16,89.32 v1(16.71,89.77) 16.16,90.32 U3.2 ; C76.2 59.99,68 ; 59.99,68 v1(59.99,68.34) ; 59.99,68 C77.2 ; C75.1 v1(113.82,58.49) ; A1.8 v1(19.71,63.72) ; v1(32.31,63.82) 32.41,63.92 A1.13 ; v1(31,95.85) 30.95,95.8 U8.2 ; R102.1 v1(119.25,45.56) ; v1(16.4,48.6) R25.2 ; v1(23.75,95.5) U4.2 ; A1.18 45.11,63.82 v1(45.21,63.72) ; U5.2 v1(20.15,95.8) ; v1(26.55,8.05) 26.4,8.05 25.99,8.46 C33.1 26.11,8.46 26.35,8.7 26.35,8.75 v1(26.55,8.95) ; v1(84.4,26.44) 84.44,26.4 R75.1 ; v1(47,91.45) C84.1 ; 125.35,83.99 R95.1 ; v1(98.91,39.35) 98.85,39.29 98.11,39.29 ; U10.5 97.79,47 v1(97.7,46.9) ; v1(34.55,95.7) U7.2 ; U6.2 27.35,95.65 v1(27.3,95.7) ; A1.28 32.41,87.17 v1(32.46,87.22) ; v1(37.85,92.35) C79.1 38.84,92.39 TH1.2 ; U14.2 v1(79.9,34.2) ; A1.3 v1(7.01,63.62) ; U16.5 87.84,37.1 v1(87.8,37.14) ; 97.8,52.15 v1(96.95,51.3) 96.3,51.95 C47.2 C46.1 97.8,52.15
  Top w0.4: R87.2 76.32,91.66 Q16.2 ; R15.2 66.34,71.86 v1(66.3,71.9) 65.17,71.9 R42.2 ; C49.1 112.15,23.22 113.12,23.22 v1(113.15,23.25) ; v1(106,28.7) 105.84,28.86 C50.2 ; v1(91.4,14.35) 91.44,14.31 Q13.2 95.29,14.31 v1(95.3,14.3) ; v1(76.45,70.2) 77.16,70.2 Q12.2
  Top w0.5: v1(65.55,51.5) 65.95,51.1 v1(66,51.1) ; v1(65.55,51.5) 65.45,51.6 v1(65.45,52.15) ; v1(65.55,51.5) 65.65,51.5 JP1.2 ; v1(65.55,52.8) 65.55,52.25 v1(65.45,52.15) ; v1(65.55,52.8) 65.95,53.2 v1(66.05,53.2) ; v1(65.55,52.8) 65.65,52.8 JP1.2 ; v1(7.5,33.9) 7.5,33.7 7.06,33.26 C8.1 ; 3.23,37.16 3.23,35.47 v1(3.2,35.45) ; v1(2,35.45) 1.95,35.5 U1.9 ; v1(66,51.1) 66.05,51.05 v1(66.65,51.05) ; v1(66,51.1) 66,51.85 JP1.2 ; JP1.2 66.05,52.4 v1(66.05,53.2) ; JP1.2 v1(65.45,52.15) ; JP1.2 66.3,51.4 v1(66.65,51.05) ; JP1.2 66.3,52.85 v1(66.65,53.2) ; v1(66.65,51.05) 66.64,51.06 66.64,53.19 v1(66.65,53.2) ; R4.1 6.89,49.8 v1(6.05,49.8) ; v1(66.05,53.2) v1(66.65,53.2) ; v1(87.75,31.5) 88.41,31.5 C67.1 ; v1(95.15,31.75) 94.21,31.75 C68.2 ; 10.9,33.32 10.9,32.55 v1(10.95,32.5) ; Q17.2 95.31,14.31 v1(95.3,14.3) ; 3.23,42.11 3.23,43.56 R13.1 v1(1.6,44.3) ; v1(99.2,14.3) 99.21,14.31 Q19.2 ; C3.2 v1(12.85,32.5) ; v1(1.6,46.25) C7.2 ; v1(1.65,48.45) 2.44,48.45 R12.1
  Top w0.8: v1(105.8,16.9) v1(106.45,16.9) v1(107.1,16.9) ; R51.2 107.7,18.61 v1(107.7,18.95) ; R51.2 107.05,17.96 v1(107.05,18.95) ; R51.2 107,17 v1(107.1,16.9) ; R51.2 106.4,18.51 v1(106.4,18.95) v1(107.7,18.95) ; v1(50,33.75) 51.34,33.75 U2.5 51.39,33.8 v1(52.85,33.8) ; R50.2 111.5,18.51 v1(111.5,18.95) v1(110.2,18.95) 110.2,18.61 R50.2 ; R50.2 111.05,17.76 v1(111.05,16.9) ; R50.2 110.85,17.96 v1(110.85,18.95) ; v1(107.7,18.95) 107.8,19.05 R49.2 ; U15.4 101.8,76.29 ; 101.8,76.29 99.94,76.29 D15.2 ; 101.8,76.29 101.79,76.28 C65.2 101.79,72.29 C66.1 ; v1(107.1,16.9) v1(107.75,16.9) v1(108.4,16.9) v1(109.05,16.9) v1(109.7,16.9) v1(110.35,16.9) v1(111.05,16.9) ; v1(122.3,59.4) 122.26,59.44 v1(105.43,59.44) ; v1(52.8,36.05) 51.39,36.05 U2.3 51.36,36.05 v1(50,36.05) ; v1(111.05,16.9) v1(111.7,16.9) v1(112.35,16.9) ; C93.2 123.7,54.7 v1(123.7,55.6) ; v1(121.7,55.6) C94.2 ; v1(105.9,20.7) R47.1 ; U20.2 105.01,60.02 C78.1 105.11,58.75 U20.3 U20.6 U19.3 U19.6 122.54,58.75 C72.1 122.64,60.02 U19.7 U19.2 U20.7 U20.2
  Top w1: R67.1 109.09,72.5 v1(110,72.5) ; C59.2 96.71,89.9 v1(97.4,89.9) ; C59.2 96.81,90.8 v1(97.4,90.8) ; C59.2 96.4,90.21 v1(96.4,89) ; v1(93.8,81) 92.87,81 R53.1 ; L6.2 120.75,95.7 v1(120.6,95.7) ; L6.2 121.65,94.2 v1(120.6,94.2) ; L6.2 121.55,94.9 v1(120.6,94.9) ; L6.2 120.75,93.3 v1(120.6,93.3) ; v1(55.65,42.55) 55.65,43.37 C9.1 56.45,43.22 v1(56.45,42.55) ; v1(51.65,42.55) 51.65,43.22 C11.1 50.8,43.32 v1(50.8,42.55) ; v1(38.2,42.9) 39.69,42.9 D3.1 39.71,42.9 v1(41.25,42.9) ; D12.2 83,83.65 v1(83,82.3) ; D12.2 83.65,84.79 U12.4 ; D12.2 82.3,83.44 v1(82.3,82.3) ; D12.2 83.85,82.79 C44.2 ; v1(54,42.55) 54,43.27 C10.1 53.2,43.32 v1(53.2,42.55) ; C45.1 85.29,80.6 v1(84.4,80.6) ; v1(98.7,73.7) 98.7,75.05 D15.2 99.4,75.05 v1(99.4,73.7) ; v1(39.45,37.3) 39.7,37.55 D3.3 ; v1(109.3,80.7) 109.3,81.29 C69.2 110.1,81.59 v1(110.1,80.7) ; v1(126.3,84) R95.1 ; v1(100.7,72.1) C66.1 ; v1(116.8,80.2) 116.21,80.2 C89.1 116.21,81 v1(116.8,81) 117.29,81 C85.2 117.29,80.2 v1(116.8,80.2)
  Top w1.5: v1(39.45,37.3) 39.45,36.88 C22.1 ; v1(38.75,37.3) 38.75,36.55 39.17,36.12 C22.1 ; C18.1 C20.1 41.3,36.12 ; v1(40.15,37.3) 40.15,36.18 C22.1 ; C22.1 41.3,36.12 ; 41.3,36.12 40.85,36.57 v1(40.85,37.3)
  Bottom w0.3: v1(91.4,14.35) 91.4,8.5 v1(91.7,8.2)
  Bottom w0.8: Q1.2 74.3,60.4 v1(74.3,61.6) ; Q1.2 73.4,60.62 v1(73.4,61.6) ; Q1.2 74.5,59.51 v1(74.5,58.6) ; Q1.2 73.4,59.5 v1(73.4,58.6)
  Bottom w2.5: 23.4,13.7 23.45,13.65 R26.2 R23.2 ; 24.6,5.9 24.35,5.9 R23.2 ; 22.3,5.7 22.35,5.7 R23.2
  vias: v1(55.3,38.2) v1(55.3,37.2) v1(55.3,36.1) v1(55.3,34.9) v1(55.3,33.9) v1(56.2,38.2) v1(56.2,37.2) v1(56.2,36.1) v1(56.2,34.9) v1(56.2,33.9) v1(57.2,38.2) v1(57.2,37.2) v1(57.2,36.1) v1(57.2,34.9) v1(57.2,33.9) v1(58.1,38.2) v1(58.1,37.2) v1(58.1,36.1) v1(58.1,34.9) v1(58.1,33.9) v1(59,38.2) v1(59,37.2) v1(59,36.1) v1(59,34.9) v1(59,33.9) v1(60,38.2) v1(60,37.2) v1(60,36.1) v1(60,34.9) v1(60,33.9) v1(61.8,21.6) v1(61.8,21) v1(61.8,20.35) v1(61.8,19.7) v1(61.8,19.05) v1(61.8,18.4) v1(61.8,17.75) v1(61.8,17.1) v1(61.8,16.45) v1(61.8,15.8) v1(61.8,15.15) v1(62.5,15.15) v1(63.15,15.15) v1(106.3,59.4) v1(107.2,59.4) v1(108,60) v1(108,58.8) v1(110.2,60) v1(110.2,58.8) v1(111.2,59.4) v1(112.1,59.4) v1(115.4,59.4) v1(116.5,59.4) v1(117.4,60) v1(117.4,58.8) v1(119.6,60) v1(119.6,58.8) v1(120.5,59.4)
